# Altium PCB 2-quilter-output.PcbDoc (part 24 of 26)
Units mil, origin at the board's own origin, x right, y up, seen from the top; angles counter-clockwise.
Board outline 4130.55 x 4250 mil, 8 copper layers (L1, Ground L2, L3, Power L4, Ground L5, L6, Ground L7, L8), stack 62.985 mil thick; 591 components, 494 nets, 2245 pads, 1508 vias.
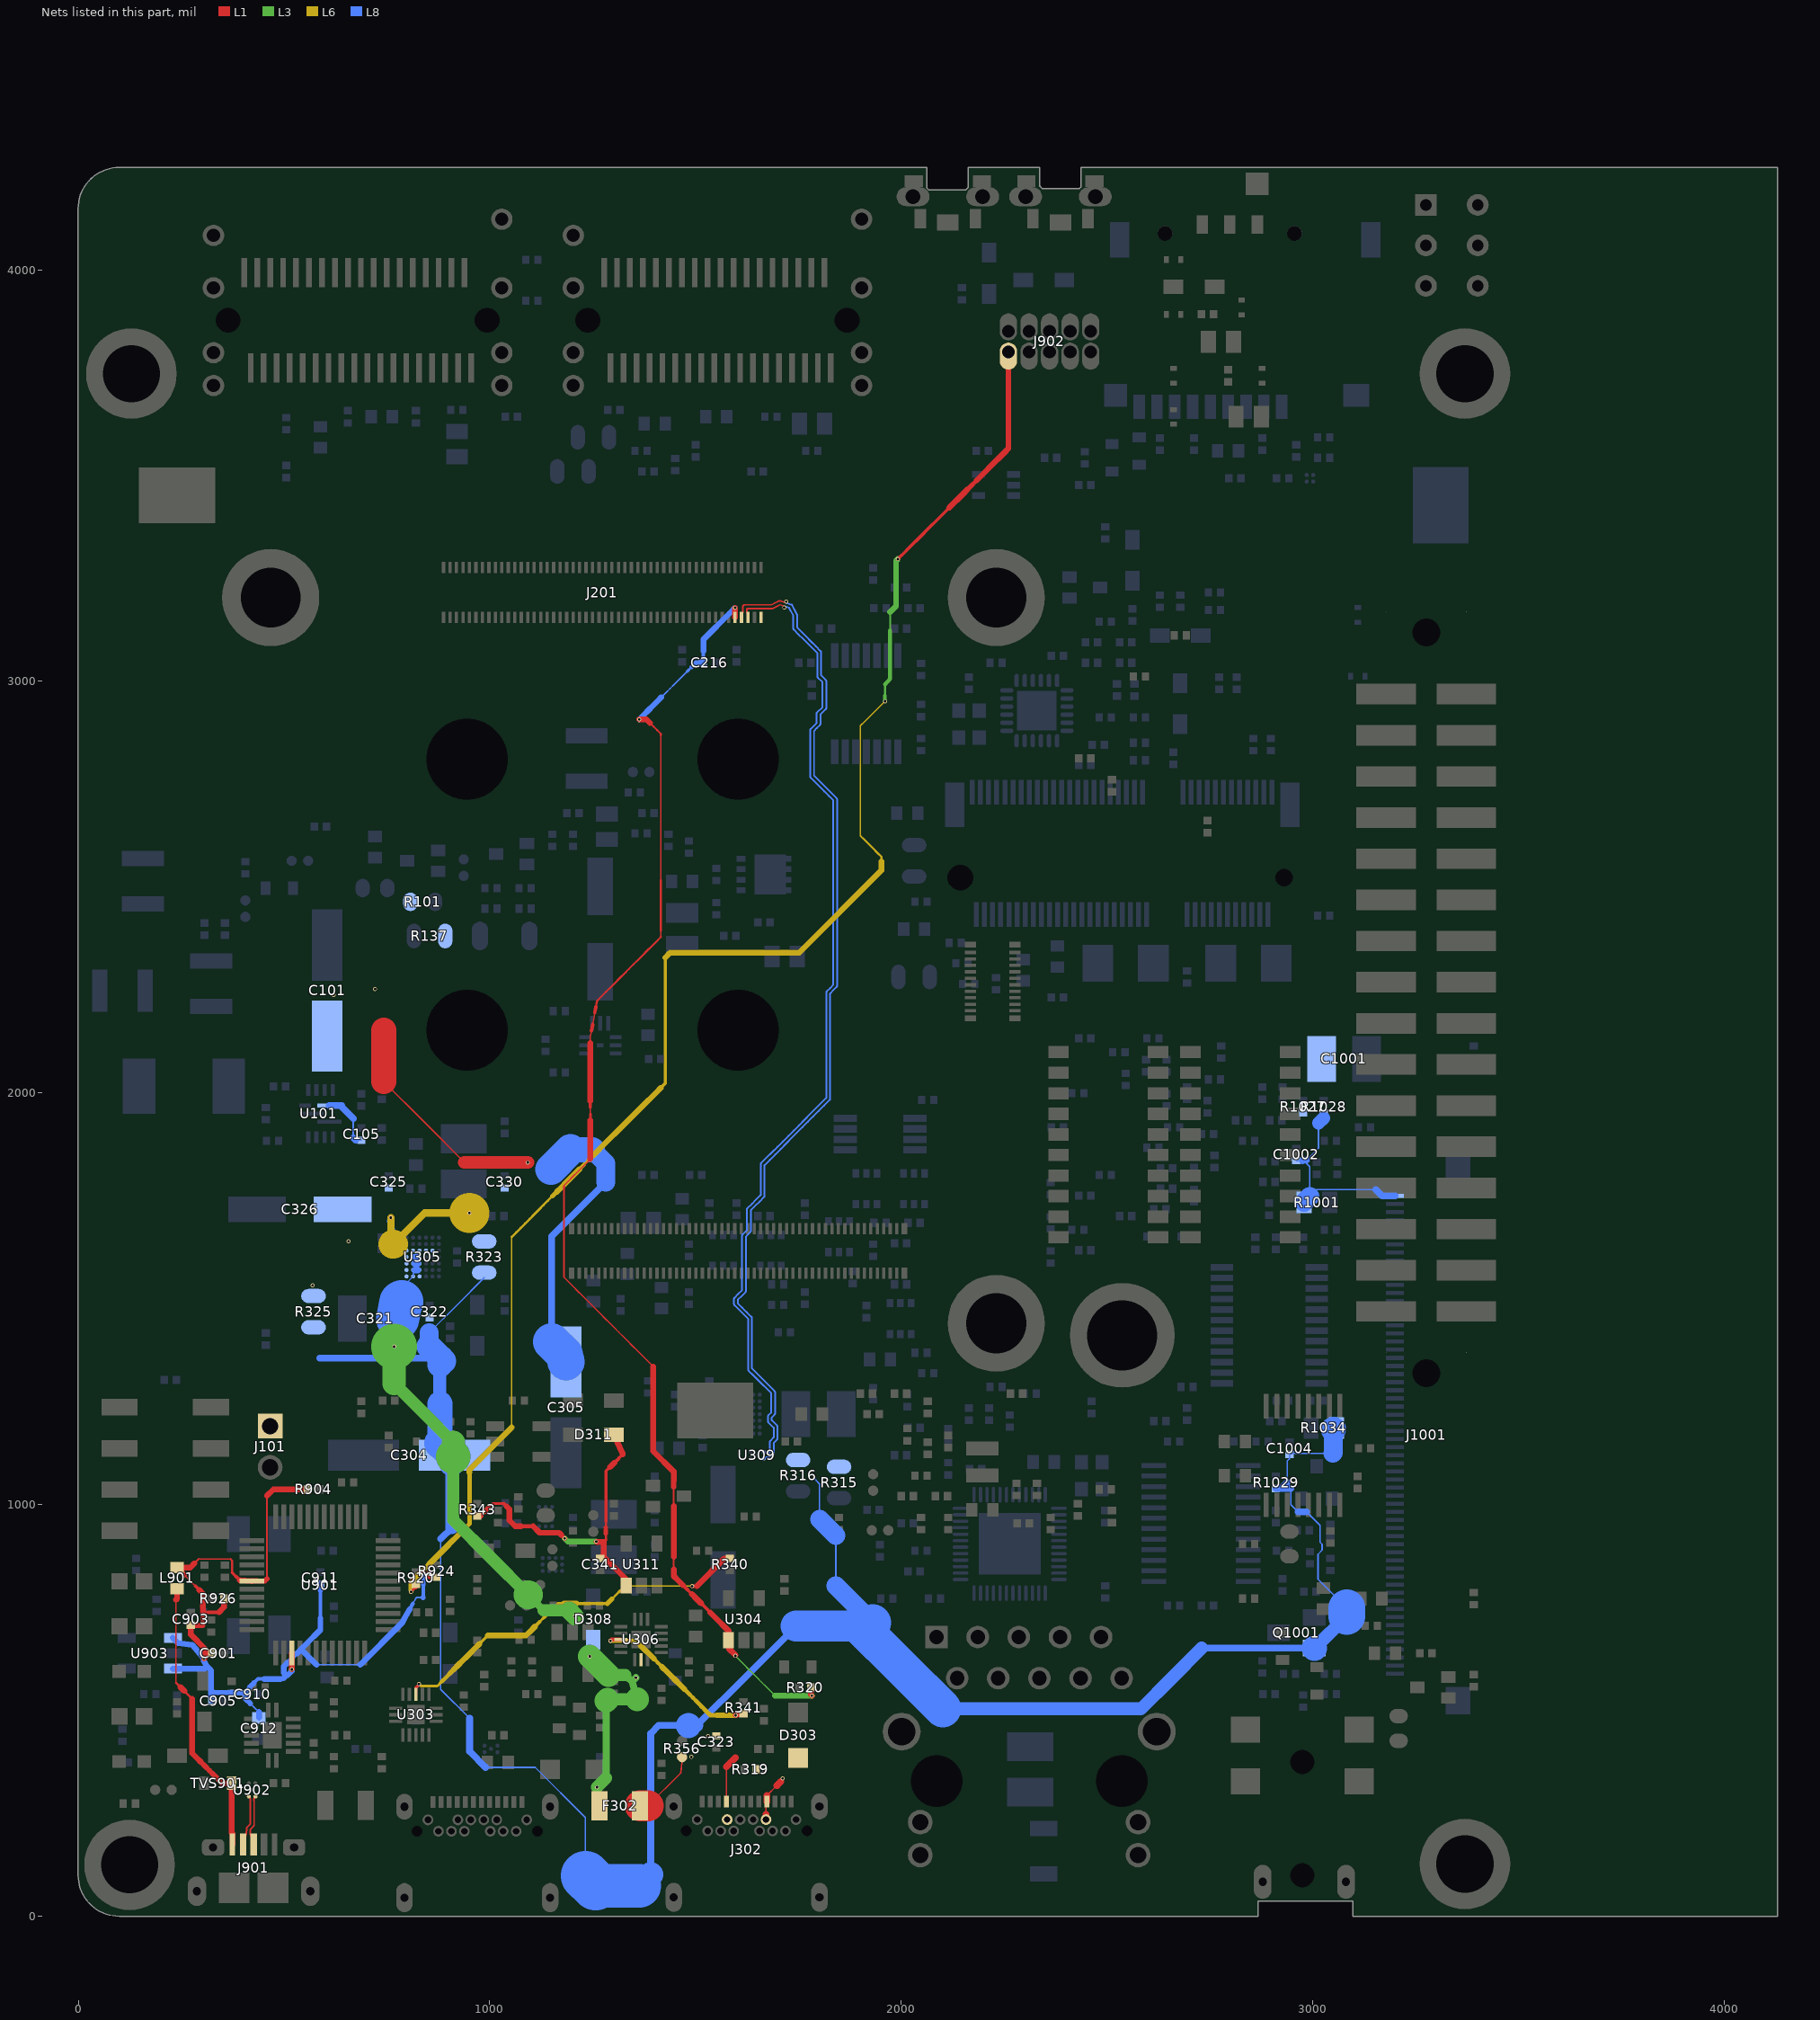
[diagram p30: the nets of this part, all layers, seen from the top]

## Via types
v1: diameter 9.85, hole 5.91, L1 to L8, tented both sides, 1508 vias

## Nets (pads, with @x,y where several pads share a name; then routed paths per layer and width w, separated by ;. In a path a pad name is that pad's centre, name@x,y a point inside that pad or via, vN(x,y) a via of type N, cw(c..) or ccw(c..) an arc to the next point about the centre after c; other vN are vias at no path point) (continued)
USB2_DN: J201.93 U309.C2 | length 2465.2
  L1 w4.28: J201.93@1612.21,3155.16 1615.46,3169.2 1615.54,3181.38 1615.54,3181.44 1615.54,3181.56 1615.55,3181.68 1615.56,3181.8 1615.57,3181.92 1615.59,3182.05 1615.61,3182.17 1615.63,3182.29 1615.66,3182.4 1615.69,3182.52 1615.72,3182.64 1615.76,3182.76 1615.79,3182.87 1615.84,3182.99 1615.88,3183.1 1615.93,3183.21 1615.98,3183.32 1616.03,3183.43 1616.09,3183.54 1616.15,3183.65 1616.21,3183.75 1616.27,3183.86 1616.34,3183.96 1616.41,3184.06 1616.48,3184.16 1616.56,3184.25 1616.64,3184.35 1616.72,3184.44 1616.8,3184.53 1616.88,3184.62 1616.97,3184.7 1617.06,3184.78 1617.15,3184.87 1617.25,3184.94 1617.34,3185.02 1617.44,3185.09 1617.54,3185.16 1617.64,3185.23 1617.74,3185.3 1617.85,3185.36 1617.95,3185.42 1618.06,3185.48 1618.17,3185.53 1618.28,3185.58 1618.39,3185.63 1618.51,3185.68 1618.62,3185.72 1618.74,3185.76 1618.85,3185.79 1618.97,3185.83 1619.09,3185.86 1619.21,3185.88 1619.33,3185.91 1619.45,3185.93 1619.57,3185.95 1619.69,3185.96 1619.81,3185.97 1619.93,3185.98 1620.05,3185.98 1620.18,3185.99 1636.31,3185.99 1652.45,3185.99 1668.58,3185.99 1684.71,3185.99 1692.1,3189.38 1703.05,3195.07 ; 1703.09,3195.09 1703.2,3195.14 1703.31,3195.19 1703.42,3195.24 1703.53,3195.29 1703.65,3195.33 1703.76,3195.37 1703.88,3195.4 1704,3195.44 1704.12,3195.47 1704.23,3195.49 1704.35,3195.52 1704.47,3195.54 1704.59,3195.55 1704.72,3195.57 1704.84,3195.58 1704.96,3195.59 1705.08,3195.59 1705.2,3195.59 1705.32,3195.59 1705.45,3195.59 1705.57,3195.58 1705.69,3195.57 1705.81,3195.55 1705.93,3195.53 1706.05,3195.51 1706.17,3195.49 1706.29,3195.46 1706.41,3195.43 1706.53,3195.4 1706.64,3195.36 1719.66,3191.07 v1(1720.53,3193.72)
  L8 w4.28: U309.C2@1665.94,1111.53 1671.09,1114.77 1681.91,1115.02 1682.03,1115.02 1682.15,1115.03 1682.27,1115.04 1682.39,1115.06 1682.51,1115.07 1682.63,1115.09 1682.75,1115.12 1682.87,1115.14 1682.99,1115.17 1683.11,1115.21 1683.23,1115.24 1683.34,1115.28 1683.46,1115.32 1683.57,1115.37 1683.68,1115.42 1683.79,1115.47 1683.9,1115.52 1684.01,1115.58 1684.12,1115.64 1684.22,1115.7 1684.32,1115.76 1684.43,1115.83 1684.53,1115.9 1684.62,1115.97 1684.72,1116.05 1684.81,1116.13 1684.9,1116.21 1684.99,1116.29 1685.08,1116.38 1688.87,1120.16 1688.95,1120.25 1689.04,1120.34 1689.12,1120.43 1689.19,1120.52 1689.27,1120.62 1689.34,1120.72 1689.41,1120.82 1689.48,1120.92 1689.54,1121.02 1689.61,1121.13 1689.67,1121.23 1689.72,1121.34 1689.78,1121.45 1689.83,1121.56 1689.88,1121.67 1689.92,1121.79 1689.96,1121.9 1690,1122.02 1690.04,1122.13 1690.07,1122.25 1690.1,1122.37 1690.13,1122.49 1690.15,1122.61 1690.17,1122.73 1690.19,1122.85 1690.2,1122.97 1690.21,1123.09 1690.22,1123.21 1690.22,1123.34 1690.23,1123.44 1690.23,1136.24 1690.23,1149.03 1698.5,1157.3 1698.58,1157.39 1698.66,1157.48 1698.74,1157.57 1698.82,1157.67 1698.9,1157.76 1698.97,1157.86 1699.04,1157.96 1699.11,1158.06 1699.17,1158.16 1699.24,1158.27 1699.29,1158.38 1699.35,1158.48 1699.41,1158.59 1699.46,1158.7 1699.5,1158.82 1699.55,1158.93 1699.59,1159.04 1699.63,1159.16 1699.67,1159.28 1699.7,1159.39 1699.73,1159.51 1699.76,1159.63 1699.78,1159.75 1699.8,1159.87 1699.82,1159.99 1699.83,1160.11 1699.84,1160.23 1699.85,1160.36 1699.85,1160.48 1699.85,1160.58 1699.85,1174.29 1699.85,1188 1699.85,1188.12 1699.85,1188.24 1699.84,1188.36 1699.83,1188.48 1699.81,1188.6 1699.8,1188.72 1699.78,1188.84 1699.75,1188.96 1699.73,1189.08 1699.7,1189.2 1699.66,1189.32 1699.63,1189.43 1699.59,1189.55 1699.54,1189.66 1699.5,1189.78 1699.45,1189.89 1699.4,1190 1699.34,1190.11 1699.29,1190.22 1699.23,1190.32 1699.17,1190.43 1699.1,1190.53 1699.03,1190.63 1698.96,1190.73 1698.89,1190.83 1698.81,1190.93 1698.73,1191.02 1698.65,1191.11 1698.57,1191.2 1698.5,1191.28 1685.43,1204.34 1685.43,1210.77 1692.17,1217.51 1692.26,1217.6 1692.34,1217.69 1692.42,1217.78 1692.5,1217.88 1692.58,1217.97 1692.65,1218.07 1692.72,1218.17 1692.79,1218.27 1692.85,1218.37 1692.91,1218.48 1692.97,1218.58 1693.03,1218.69 1693.08,1218.8 1693.13,1218.91 1693.18,1219.02 1693.23,1219.14 1693.27,1219.25 1693.31,1219.37 1693.34,1219.48 1693.38,1219.6 1693.41,1219.72 1693.43,1219.84 1693.46,1219.96 1693.48,1220.08 1693.49,1220.2 1693.51,1220.32 1693.52,1220.44 1693.53,1220.56 1693.53,1220.69 1693.53,1220.79 1693.53,1237.91 1693.53,1255.03 1693.53,1272.15 1693.53,1272.27 1693.53,1272.39 1693.52,1272.52 1693.51,1272.64 1693.49,1272.76 1693.48,1272.88 1693.45,1273 1693.43,1273.12 1693.4,1273.24 1693.37,1273.36 1693.34,1273.47 1693.3,1273.59 1693.26,1273.71 1693.22,1273.82 1693.18,1273.93 1693.13,1274.05 1693.08,1274.16 1693.02,1274.27 1692.97,1274.37 1692.91,1274.48 1692.84,1274.58 1692.78,1274.69 1692.71,1274.79 1692.64,1274.89 1692.57,1274.99 1692.49,1275.08 1692.41,1275.17 1692.33,1275.27 1692.25,1275.36 1692.17,1275.43 1681.23,1286.38 1670.28,1297.33 1659.33,1308.28 1648.38,1319.23 1637.43,1330.18 1637.43,1347.69 1637.43,1365.21 1637.43,1382.72 1637.43,1400.24 1637.43,1417.75 1637.43,1435.27 1637.43,1452.78 1637.43,1452.9 1637.42,1453.02 1637.42,1453.15 1637.4,1453.27 1637.39,1453.39 1637.37,1453.51 1637.35,1453.63 1637.33,1453.75 1637.3,1453.87 1637.27,1453.99 1637.24,1454.1 1637.2,1454.22 1637.16,1454.34 1637.12,1454.45 1637.07,1454.56 1637.03,1454.68 1636.97,1454.79 1636.92,1454.9 1636.86,1455 1636.8,1455.11 1636.74,1455.21 1636.68,1455.32 1636.61,1455.42 1636.54,1455.52 1636.46,1455.62 1636.39,1455.71 1636.31,1455.8 1636.23,1455.9 1636.15,1455.99 1636.07,1456.06 1625.12,1467.01 1614.17,1477.96 1603.22,1488.91 1603.22,1496.79 1612.28,1505.85 1621.35,1514.92 1621.44,1515.01 1621.52,1515.1 1621.6,1515.19 1621.68,1515.28 1621.75,1515.38 1621.83,1515.48 1621.9,1515.58 1621.96,1515.68 1622.03,1515.78 1622.09,1515.89 1622.15,1515.99 1622.21,1516.1 1622.26,1516.21 1622.31,1516.32 1622.36,1516.43 1622.4,1516.55 1622.45,1516.66 1622.49,1516.78 1622.52,1516.89 1622.55,1517.01 1622.58,1517.13 1622.61,1517.25 1622.63,1517.37 1622.65,1517.49 1622.67,1517.61 1622.69,1517.73 1622.7,1517.85 1622.7,1517.97 1622.71,1518.09 1622.71,1518.2 1622.71,1537.1 1622.71,1556.01 1622.71,1574.91 1622.71,1593.81 1622.71,1612.71 1622.71,1631.61 1622.71,1650.51 1633.28,1661.09 1633.37,1661.17 1633.45,1661.26 1633.53,1661.36 1633.61,1661.45 1633.68,1661.55 1633.76,1661.64 1633.83,1661.74 1633.9,1661.84 1633.96,1661.95 1634.02,1662.05 1634.08,1662.16 1634.14,1662.27 1634.19,1662.38 1634.24,1662.49 1634.29,1662.6 1634.34,1662.71 1634.38,1662.83 1634.42,1662.94 1634.45,1663.06 1634.49,1663.18 1634.52,1663.3 1634.54,1663.41 1634.57,1663.53 1634.59,1663.65 1634.6,1663.77 1634.62,1663.9 1634.63,1664.02 1634.64,1664.14 1634.64,1664.26 1634.64,1664.37 1634.64,1681.03 1634.64,1697.69 1634.64,1714.36 1645.29,1725.01 1655.95,1735.66 1666.6,1746.32 1666.68,1746.4 1666.77,1746.49 1666.85,1746.58 1666.93,1746.68 1667,1746.77 1667.07,1746.87 1667.14,1746.97 1667.21,1747.07 1667.28,1747.18 1667.34,1747.28 1667.4,1747.39 1667.46,1747.49 1667.51,1747.6 1667.56,1747.71 1667.61,1747.83 1667.65,1747.94 1667.69,1748.06 1667.73,1748.17 1667.77,1748.29 1667.8,1748.4 1667.83,1748.52 1667.86,1748.64 1667.88,1748.76 1667.9,1748.88 1667.92,1749 1667.93,1749.12 1667.94,1749.25 1667.95,1749.37 1667.96,1749.49 1667.96,1749.6 1667.96,1768.23 1667.96,1786.86 1667.96,1805.49 1667.96,1824.12 1681.13,1837.29 1694.3,1850.46 1707.47,1863.63 1720.64,1876.8 1733.81,1889.97 1746.98,1903.14 1760.15,1916.31 1773.32,1929.48 1786.49,1942.65 1799.66,1955.82 1812.83,1968.99 1826,1982.16 1826.08,1982.25 1826.16,1982.34 1826.24,1982.43 1826.32,1982.52 1826.4,1982.62 1826.47,1982.72 1826.54,1982.82 1826.61,1982.92 1826.67,1983.02 1826.74,1983.13 1826.79,1983.23 1826.85,1983.34 1826.91,1983.45 1826.96,1983.56 1827,1983.67 1827.05,1983.79 1827.09,1983.9 1827.13,1984.02 1827.17,1984.13 1827.2,1984.25 1827.23,1984.37 1827.26,1984.49 1827.28,1984.61 1827.3,1984.73 1827.32,1984.85 1827.33,1984.97 1827.34,1985.09 1827.35,1985.21 1827.35,1985.33 1827.35,1985.44 1827.35,2003.73 1827.35,2022.02 1827.35,2040.3 1827.35,2058.59 1827.35,2076.88 1827.35,2095.16 1827.35,2113.45 1827.35,2131.74 1827.35,2150.02 1827.35,2168.31 1827.35,2186.6 1827.35,2204.88 1827.35,2223.17 1827.35,2241.46 1835.24,2249.34 1843.13,2257.23 1843.21,2257.32 1843.3,2257.41 1843.38,2257.5 1843.46,2257.59 1843.53,2257.69 1843.6,2257.79 1843.67,2257.89 1843.74,2257.99 1843.81,2258.09 1843.87,2258.2 1843.93,2258.3 1843.98,2258.41 1844.04,2258.52 1844.09,2258.63 1844.14,2258.74 1844.18,2258.86 1844.22,2258.97 1844.26,2259.09 1844.3,2259.2 1844.33,2259.32 1844.36,2259.44 1844.39,2259.56 1844.41,2259.68 1844.43,2259.8 1844.45,2259.92 1844.46,2260.04 1844.47,2260.16 1844.48,2260.28 1844.49,2260.4 1844.49,2260.51 1844.49,2279.35 1844.49,2298.19 1844.49,2317.03 1844.49,2335.87 1844.49,2354.7 1844.49,2373.54 1844.49,2392.38 1844.49,2411.22 1844.49,2430.06 1844.49,2448.9 1844.49,2467.73 1844.49,2486.57 1844.49,2505.41 1844.49,2524.25 1844.49,2543.09 1844.49,2561.93 1844.49,2580.76 1844.49,2599.6 1844.49,2618.44 1844.49,2637.28 1844.49,2656.12 1844.49,2674.96 1844.49,2693.8 1844.49,2712.63 1844.49,2712.76 1844.48,2712.88 1844.47,2713 1844.46,2713.12 1844.45,2713.24 1844.43,2713.36 1844.41,2713.48 1844.39,2713.6 1844.36,2713.72 1844.33,2713.84 1844.3,2713.96 1844.26,2714.07 1844.22,2714.19 1844.18,2714.3 1844.13,2714.42 1844.08,2714.53 1844.03,2714.64 1843.98,2714.75 1843.92,2714.86 1843.86,2714.96 1843.8,2715.07 1843.73,2715.17 1843.67,2715.27 1843.59,2715.37 1843.52,2715.47 1843.45,2715.56 1843.37,2715.66 1843.29,2715.75 1843.2,2715.84 1843.13,2715.91 1832.2,2726.85 1821.26,2737.78 1810.33,2748.71 1799.4,2759.65 1788.46,2770.58 1788.46,2788.69 1788.46,2806.79 1788.46,2824.9 1788.46,2843 1788.46,2861.11 1788.46,2879.22 1795.5,2886.25 1802.53,2893.29 1802.62,2893.37 1802.7,2893.46 1802.78,2893.56 1802.86,2893.65 1802.94,2893.75 1803.01,2893.84 1803.08,2893.94 1803.15,2894.04 1803.21,2894.15 1803.27,2894.25 1803.33,2894.36 1803.39,2894.47 1803.44,2894.58 1803.49,2894.69 1803.54,2894.8 1803.59,2894.91 1803.63,2895.03 1803.67,2895.14 1803.7,2895.26 1803.74,2895.38 1803.77,2895.49 1803.79,2895.61 1803.82,2895.73 1803.84,2895.85 1803.86,2895.97 1803.87,2896.1 1803.88,2896.22 1803.89,2896.34 1803.89,2896.46 1803.89,2896.57 1803.89,2907.9 1803.89,2919.24 1816.83,2932.17 1816.91,2932.26 1816.99,2932.35 1817.07,2932.44 1817.15,2932.53 1817.23,2932.63 1817.3,2932.73 1817.37,2932.83 1817.44,2932.93 1817.5,2933.03 1817.57,2933.14 1817.63,2933.24 1817.68,2933.35 1817.74,2933.46 1817.79,2933.57 1817.84,2933.68 1817.88,2933.8 1817.92,2933.91 1817.96,2934.03 1818,2934.14 1818.03,2934.26 1818.06,2934.38 1818.09,2934.5 1818.11,2934.62 1818.13,2934.74 1818.15,2934.86 1818.16,2934.98 1818.17,2935.1 1818.18,2935.22 1818.18,2935.34 1818.19,2935.45 1818.19,2951.57 1818.19,2967.69 1818.19,2983.81 1818.19,2999.92 1818.18,3000.05 1818.18,3000.17 1818.17,3000.29 1818.16,3000.41 1818.15,3000.53 1818.13,3000.65 1818.11,3000.77 1818.08,3000.89 1818.06,3001.01 1818.03,3001.13 1817.99,3001.25 1817.96,3001.36 1817.92,3001.48 1817.88,3001.59 1817.83,3001.71 1817.78,3001.82 1817.73,3001.93 1817.68,3002.04 1817.62,3002.15 1817.56,3002.25 1817.5,3002.36 1817.43,3002.46 1817.36,3002.56 1817.29,3002.66 1817.22,3002.76 1817.14,3002.85 1817.07,3002.95 1816.98,3003.04 1816.9,3003.13 1816.83,3003.2 1805.57,3014.46 1805.57,3033.18 1805.57,3051.9 1805.57,3070.61 1805.57,3070.74 1805.56,3070.86 1805.56,3070.98 1805.55,3071.1 1805.53,3071.22 1805.51,3071.34 1805.49,3071.46 1805.47,3071.58 1805.44,3071.7 1805.41,3071.82 1805.38,3071.94 1805.34,3072.05 1805.3,3072.17 1805.26,3072.28 1805.21,3072.4 1805.17,3072.51 1805.12,3072.62 1805.06,3072.73 1805,3072.84 1804.94,3072.94 1804.88,3073.05 1804.82,3073.15 1804.75,3073.25 1804.68,3073.35 1804.6,3073.45 1804.53,3073.54 1804.45,3073.64 1804.37,3073.73 1804.29,3073.82 1804.21,3073.9 1792.81,3085.3 1781.4,3096.71 1769.99,3108.11 1758.59,3119.52 1747.18,3130.93 1747.18,3146.08 1747.18,3161.23 1747.18,3161.35 1747.17,3161.48 1747.17,3161.6 1747.15,3161.72 1747.14,3161.84 1747.12,3161.96 1747.1,3162.08 1747.08,3162.2 1747.05,3162.32 1747.02,3162.44 1746.99,3162.56 1746.95,3162.67 1746.91,3162.79 1746.87,3162.9 1746.82,3163.01 1746.78,3163.13 1746.72,3163.24 1746.67,3163.35 1746.61,3163.45 1746.57,3163.53 1739.69,3175.63 1735.38,3184.42 1735.33,3184.53 1735.27,3184.64 1735.21,3184.75 1735.15,3184.85 1735.08,3184.95 1735.01,3185.05 1734.94,3185.15 1734.87,3185.25 1734.79,3185.34 1734.71,3185.44 1734.63,3185.53 1734.55,3185.62 1734.46,3185.7 1734.37,3185.79 1734.28,3185.87 1734.19,3185.95 1734.09,3186.02 1734,3186.1 1733.9,3186.17 1733.8,3186.24 1733.7,3186.31 1733.59,3186.37 1733.49,3186.43 1733.38,3186.49 1733.27,3186.54 1733.16,3186.6 1733.05,3186.65 1732.94,3186.69 1732.82,3186.74 1732.71,3186.78 ; v1(1720.53,3193.72) 1719.66,3191.07 1732.67,3186.79
USB2_DP: J201.95 U309.C1 | length 2418.7
  L1 w4.28: J201.95@1627.96,3155.16 1624.74,3169.14 1624.79,3176.71 1639.65,3176.71 1654.51,3176.71 1669.37,3176.71 1684.24,3176.71 1684.33,3176.68 1684.44,3176.66 1684.56,3176.63 1684.68,3176.61 1684.8,3176.59 1684.93,3176.58 1685.05,3176.57 1685.17,3176.56 1685.29,3176.56 1685.41,3176.56 1685.54,3176.56 1685.66,3176.56 1685.78,3176.57 1685.9,3176.58 1686.02,3176.6 1686.14,3176.61 1686.26,3176.64 1686.38,3176.66 1686.5,3176.69 1686.62,3176.72 1686.74,3176.75 1686.85,3176.79 1686.97,3176.83 1687.08,3176.87 1687.19,3176.91 1687.31,3176.96 ; 1687.34,3176.98 1696.08,3181 1696.19,3181.05 1696.28,3181.09 1705.6,3185.93 1716.75,3182.26 v1(1715.88,3179.61)
  L8 w4.28: U309.C1@1665.94,1127.27 1670.88,1124.05 1679.83,1124.25 1680.95,1125.37 1680.95,1138.16 1680.95,1150.96 1680.95,1151.06 1680.95,1151.18 1680.96,1151.31 1680.97,1151.43 1680.98,1151.55 1681,1151.67 1681.02,1151.79 1681.05,1151.91 1681.07,1152.03 1681.1,1152.15 1681.13,1152.26 1681.17,1152.38 1681.21,1152.5 1681.25,1152.61 1681.3,1152.72 1681.34,1152.84 1681.4,1152.95 1681.45,1153.06 1681.51,1153.16 1681.57,1153.27 1681.63,1153.38 1681.69,1153.48 1681.76,1153.58 1681.83,1153.68 1681.9,1153.78 1681.98,1153.87 1682.06,1153.97 1682.14,1154.06 1682.22,1154.15 1682.31,1154.24 1690.57,1162.51 1690.57,1174.29 1690.57,1186.07 1677.51,1199.14 1677.44,1199.21 1677.35,1199.3 1677.27,1199.39 1677.19,1199.49 1677.12,1199.58 1677.05,1199.68 1676.97,1199.78 1676.91,1199.88 1676.84,1199.98 1676.78,1200.09 1676.72,1200.2 1676.66,1200.3 1676.61,1200.41 1676.56,1200.52 1676.51,1200.64 1676.46,1200.75 1676.42,1200.86 1676.38,1200.98 1676.35,1201.09 1676.31,1201.21 1676.28,1201.33 1676.25,1201.45 1676.23,1201.57 1676.21,1201.69 1676.19,1201.81 1676.18,1201.93 1676.17,1202.05 1676.16,1202.17 1676.15,1202.3 1676.15,1202.42 1676.15,1212.69 1676.15,1212.8 1676.16,1212.92 1676.17,1213.04 1676.18,1213.16 1676.19,1213.29 1676.21,1213.41 1676.23,1213.53 1676.25,1213.65 1676.28,1213.77 1676.31,1213.88 1676.34,1214 1676.38,1214.12 1676.42,1214.23 1676.46,1214.35 1676.5,1214.46 1676.55,1214.57 1676.6,1214.68 1676.66,1214.79 1676.71,1214.9 1676.77,1215.01 1676.83,1215.11 1676.9,1215.22 1676.97,1215.32 1677.04,1215.42 1677.11,1215.52 1677.19,1215.61 1677.26,1215.71 1677.34,1215.8 1677.43,1215.89 1677.51,1215.97 1684.25,1222.71 1684.25,1238.55 1684.25,1254.39 1684.25,1270.23 1673.3,1281.18 1662.36,1292.13 1651.41,1303.08 1640.46,1314.02 1629.51,1324.97 1629.43,1325.05 1629.35,1325.14 1629.27,1325.23 1629.19,1325.32 1629.12,1325.42 1629.04,1325.52 1628.97,1325.62 1628.9,1325.72 1628.84,1325.82 1628.78,1325.93 1628.72,1326.03 1628.66,1326.14 1628.61,1326.25 1628.55,1326.36 1628.51,1326.47 1628.46,1326.59 1628.42,1326.7 1628.38,1326.82 1628.34,1326.93 1628.31,1327.05 1628.28,1327.17 1628.25,1327.29 1628.23,1327.41 1628.21,1327.53 1628.19,1327.65 1628.18,1327.77 1628.16,1327.89 1628.16,1328.01 1628.15,1328.13 1628.15,1328.25 1628.15,1345.77 1628.15,1363.28 1628.15,1380.8 1628.15,1398.31 1628.15,1415.83 1628.15,1433.34 1628.15,1450.86 1617.2,1461.81 1606.25,1472.76 1595.3,1483.71 1595.22,1483.79 1595.14,1483.88 1595.06,1483.97 1594.98,1484.06 1594.9,1484.16 1594.83,1484.26 1594.76,1484.36 1594.69,1484.46 1594.63,1484.56 1594.56,1484.66 1594.5,1484.77 1594.45,1484.88 1594.39,1484.99 1594.34,1485.1 1594.29,1485.21 1594.25,1485.32 1594.21,1485.44 1594.17,1485.55 1594.13,1485.67 1594.1,1485.79 1594.07,1485.91 1594.04,1486.02 1594.02,1486.14 1594,1486.26 1593.98,1486.38 1593.96,1486.51 1593.95,1486.63 1593.94,1486.75 1593.94,1486.87 1593.94,1486.99 1593.94,1498.71 1593.94,1498.82 1593.94,1498.94 1593.95,1499.06 1593.96,1499.18 1593.98,1499.3 1593.99,1499.42 1594.01,1499.54 1594.04,1499.66 1594.06,1499.78 1594.09,1499.9 1594.13,1500.02 1594.16,1500.13 1594.2,1500.25 1594.24,1500.36 1594.29,1500.48 1594.34,1500.59 1594.39,1500.7 1594.44,1500.81 1594.5,1500.92 1594.56,1501.02 1594.62,1501.13 1594.68,1501.23 1594.75,1501.33 1594.82,1501.43 1594.9,1501.53 1594.97,1501.63 1595.05,1501.72 1595.13,1501.81 1595.21,1501.9 1595.3,1501.99 1604.36,1511.06 1613.43,1520.12 1613.43,1539.03 1613.43,1557.93 1613.43,1576.83 1613.43,1595.73 1613.43,1614.63 1613.43,1633.53 1613.43,1652.44 1613.43,1652.54 1613.44,1652.67 1613.44,1652.79 1613.45,1652.91 1613.47,1653.03 1613.49,1653.15 1613.51,1653.27 1613.53,1653.39 1613.56,1653.51 1613.59,1653.63 1613.62,1653.75 1613.65,1653.86 1613.69,1653.98 1613.74,1654.09 1613.78,1654.21 1613.83,1654.32 1613.88,1654.43 1613.93,1654.54 1613.99,1654.65 1614.05,1654.75 1614.11,1654.86 1614.18,1654.96 1614.24,1655.06 1614.31,1655.16 1614.39,1655.26 1614.46,1655.36 1614.54,1655.45 1614.62,1655.54 1614.7,1655.63 1614.79,1655.72 1625.36,1666.29 1625.36,1682.95 1625.36,1699.62 1625.36,1716.28 1625.36,1716.39 1625.37,1716.51 1625.38,1716.63 1625.39,1716.75 1625.4,1716.87 1625.42,1716.99 1625.44,1717.11 1625.46,1717.23 1625.49,1717.35 1625.52,1717.47 1625.55,1717.59 1625.59,1717.71 1625.63,1717.82 1625.67,1717.94 1625.71,1718.05 1625.76,1718.16 1625.81,1718.27 1625.87,1718.38 1625.92,1718.49 1625.98,1718.6 1626.04,1718.7 1626.11,1718.8 1626.18,1718.91 1626.25,1719 1626.32,1719.1 1626.39,1719.2 1626.47,1719.29 1626.55,1719.38 1626.64,1719.47 1626.72,1719.56 1637.37,1730.21 1648.03,1740.87 1658.68,1751.52 1658.68,1770.15 1658.68,1788.78 1658.68,1807.41 1658.68,1826.04 1658.68,1826.15 1658.68,1826.27 1658.69,1826.4 1658.7,1826.52 1658.72,1826.64 1658.73,1826.76 1658.75,1826.88 1658.78,1827 1658.8,1827.12 1658.83,1827.24 1658.87,1827.35 1658.9,1827.47 1658.94,1827.59 1658.98,1827.7 1659.03,1827.81 1659.08,1827.93 1659.13,1828.04 1659.18,1828.15 1659.24,1828.25 1659.3,1828.36 1659.36,1828.47 1659.42,1828.57 1659.49,1828.67 1659.56,1828.77 1659.64,1828.87 1659.71,1828.96 1659.79,1829.06 1659.87,1829.15 1659.95,1829.24 1660.04,1829.33 1673.21,1842.5 1686.38,1855.67 1699.55,1868.84 1712.72,1882.01 1725.89,1895.17 1739.06,1908.34 1752.23,1921.51 1765.4,1934.68 1778.57,1947.85 1791.73,1961.02 1804.9,1974.19 1818.07,1987.36 1818.07,2005.65 1818.07,2023.94 1818.07,2042.22 1818.07,2060.51 1818.07,2078.8 1818.07,2097.08 1818.07,2115.37 1818.07,2133.66 1818.07,2151.94 1818.07,2170.23 1818.07,2188.52 1818.07,2206.8 1818.07,2225.09 1818.07,2243.38 1818.08,2243.49 1818.08,2243.61 1818.09,2243.73 1818.1,2243.85 1818.11,2243.97 1818.13,2244.09 1818.15,2244.21 1818.17,2244.33 1818.2,2244.45 1818.23,2244.57 1818.26,2244.69 1818.3,2244.8 1818.34,2244.92 1818.38,2245.03 1818.42,2245.15 1818.47,2245.26 1818.52,2245.37 1818.58,2245.48 1818.63,2245.59 1818.69,2245.69 1818.76,2245.8 1818.82,2245.9 1818.89,2246 1818.96,2246.1 1819.03,2246.2 1819.11,2246.3 1819.19,2246.39 1819.27,2246.48 1819.35,2246.57 1819.43,2246.66 1827.32,2254.55 1835.21,2262.43 1835.21,2281.11 1835.21,2299.79 1835.21,2318.47 1835.21,2337.15 1835.21,2355.82 1835.21,2374.5 1835.21,2393.18 1835.21,2411.86 1835.21,2430.54 1835.21,2449.22 1835.21,2467.89 1835.21,2486.57 1835.21,2505.25 1835.21,2523.93 1835.21,2542.61 1835.21,2561.29 1835.21,2579.96 1835.21,2598.64 1835.21,2617.32 1835.21,2636 1835.21,2654.68 1835.21,2673.36 1835.21,2692.03 1835.21,2710.71 1824.28,2721.64 1813.34,2732.58 1802.41,2743.51 1791.48,2754.44 1780.54,2765.38 1780.47,2765.45 1780.39,2765.54 1780.31,2765.63 1780.23,2765.73 1780.15,2765.82 1780.08,2765.92 1780.01,2766.02 1779.94,2766.12 1779.87,2766.22 1779.81,2766.33 1779.75,2766.43 1779.69,2766.54 1779.64,2766.65 1779.59,2766.76 1779.54,2766.87 1779.5,2766.99 1779.45,2767.1 1779.41,2767.22 1779.38,2767.33 1779.34,2767.45 1779.31,2767.57 1779.29,2767.69 1779.26,2767.81 1779.24,2767.93 1779.22,2768.05 1779.21,2768.17 1779.2,2768.29 1779.19,2768.41 1779.19,2768.53 1779.18,2768.66 1779.18,2787.4 1779.18,2806.15 1779.18,2824.9 1779.18,2843.65 1779.18,2862.39 1779.18,2881.14 1779.19,2881.25 1779.19,2881.37 1779.2,2881.49 1779.21,2881.61 1779.22,2881.73 1779.24,2881.85 1779.26,2881.97 1779.28,2882.09 1779.31,2882.21 1779.34,2882.33 1779.37,2882.45 1779.41,2882.57 1779.45,2882.68 1779.49,2882.8 1779.54,2882.91 1779.58,2883.02 1779.63,2883.13 1779.69,2883.24 1779.74,2883.35 1779.8,2883.46 1779.87,2883.56 1779.93,2883.66 1780,2883.76 1780.07,2883.86 1780.14,2883.96 1780.22,2884.06 1780.3,2884.15 1780.38,2884.24 1780.46,2884.33 1780.54,2884.42 1787.58,2891.46 1794.61,2898.49 1794.61,2909.82 1794.61,2921.16 1794.61,2921.27 1794.62,2921.39 1794.63,2921.51 1794.64,2921.63 1794.65,2921.75 1794.67,2921.87 1794.69,2921.99 1794.71,2922.11 1794.74,2922.23 1794.77,2922.35 1794.8,2922.47 1794.84,2922.58 1794.88,2922.7 1794.92,2922.81 1794.96,2922.93 1795.01,2923.04 1795.06,2923.15 1795.12,2923.26 1795.17,2923.37 1795.23,2923.47 1795.29,2923.58 1795.36,2923.68 1795.43,2923.78 1795.5,2923.88 1795.57,2923.98 1795.65,2924.08 1795.72,2924.17 1795.8,2924.26 1795.89,2924.35 1795.97,2924.44 1808.91,2937.37 1808.91,2952.53 1808.91,2967.69 1808.91,2982.84 1808.91,2998 1797.65,3009.26 1797.58,3009.33 1797.49,3009.42 1797.41,3009.51 1797.33,3009.61 1797.26,3009.7 1797.18,3009.8 1797.11,3009.9 1797.05,3010 1796.98,3010.11 1796.92,3010.21 1796.86,3010.32 1796.8,3010.42 1796.75,3010.53 1796.7,3010.64 1796.65,3010.76 1796.6,3010.87 1796.56,3010.98 1796.52,3011.1 1796.48,3011.22 1796.45,3011.33 1796.42,3011.45 1796.39,3011.57 1796.37,3011.69 1796.35,3011.81 1796.33,3011.93 1796.32,3012.05 1796.31,3012.17 1796.3,3012.29 1796.29,3012.42 1796.29,3012.54 1796.29,3031.26 1796.29,3049.97 1796.29,3068.69 1784.88,3080.1 1773.48,3091.5 1762.07,3102.91 1750.67,3114.32 1739.26,3125.72 1739.18,3125.8 1739.1,3125.89 1739.02,3125.98 1738.94,3126.08 1738.87,3126.17 1738.79,3126.27 1738.72,3126.37 1738.65,3126.47 1738.59,3126.57 1738.53,3126.68 1738.47,3126.78 1738.41,3126.89 1738.36,3127 1738.3,3127.11 1738.26,3127.22 1738.21,3127.34 1738.17,3127.45 1738.13,3127.57 1738.09,3127.68 1738.06,3127.8 1738.03,3127.92 1738,3128.04 1737.98,3128.16 1737.96,3128.28 1737.94,3128.4 1737.93,3128.52 1737.91,3128.64 1737.91,3128.76 1737.9,3128.88 1737.9,3129.01 1737.9,3144.51 1737.9,3160.01 1731.55,3171.17 ; v1(1715.88,3179.61) 1716.75,3182.26 1727.91,3178.59 1731.42,3171.43 1731.48,3171.32 1731.53,3171.21